# KiCad board Leopold Replacement.kicad_pcb (continued)
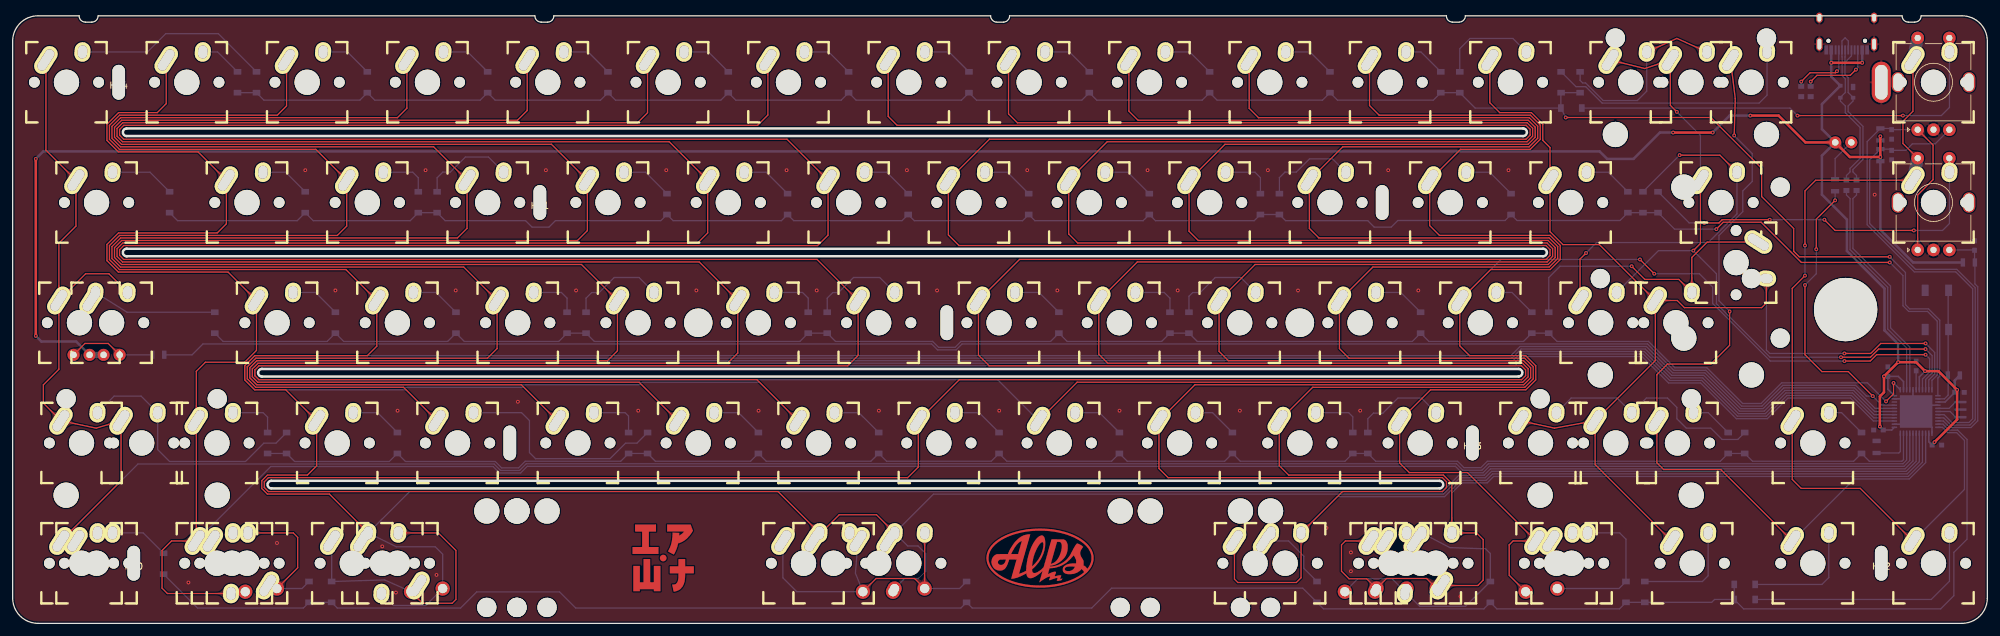
[diagram p0: board, top side]
## Copper pours and planes (outline as drawn; the poured copper is in the pictures) (continued)
Col4 on Top: 90.89,67.57 90.9,67.67 90.9,67.77 90.91,67.86 90.93,67.95 90.94,68.03 90.96,68.11 90.98,68.18 91.01,68.24 91.04,68.3 91.07,68.36 91.1,68.42 91.13,68.47 91.17,68.52 91.21,68.57 91.56,68.96 91.6,69.02 91.65,69.08 91.7,69.14 91.74,69.2 91.79,69.27 91.83,69.35 91.88,69.43 91.92,69.51 90.8,70.68 89.67,69.51 89.71,69.43 89.76,69.35 89.8,69.27 89.85,69.2 89.89,69.14 89.94,69.08 89.99,69.02 90.03,68.96 90.38,68.57 90.42,68.52 90.46,68.47 90.49,68.42 90.52,68.36 90.55,68.3 90.58,68.24 90.61,68.18 90.63,68.11 90.65,68.03 90.66,67.95 90.68,67.86 90.69,67.77 90.69,67.67 90.69,67.57
Col4 on Top: 88.96,71.75 89.04,71.67 89.1,71.59 89.16,71.52 89.21,71.45 89.26,71.38 89.3,71.32 89.33,71.25 89.36,71.19 89.39,71.12 89.41,71.06 89.42,71 89.44,70.94 89.45,70.87 89.45,70.81 89.48,70.29 89.49,70.22 89.5,70.14 89.51,70.07 89.52,69.99 89.54,69.91 89.56,69.82 89.58,69.74 89.61,69.65 91.24,69.61 91.21,71.24 91.11,71.27 91.03,71.29 90.94,71.31 90.86,71.33 90.78,71.34 90.71,71.35 90.63,71.36 90.56,71.37 90.04,71.4 89.98,71.4 89.91,71.41 89.85,71.43 89.79,71.44 89.73,71.46 89.66,71.49 89.6,71.52 89.53,71.55 89.47,71.59 89.4,71.64 89.33,71.69 89.26,71.75 89.18,71.81 89.11,71.89
Col4 on Top: 81.39,86.58 81.39,86.68 81.4,86.78 81.41,86.87 81.42,86.96 81.44,87.04 81.46,87.12 81.48,87.19 81.5,87.25 81.53,87.31 81.56,87.37 81.59,87.43 81.63,87.48 81.66,87.53 81.7,87.58 82.05,87.97 82.1,88.03 82.14,88.09 82.19,88.15 82.24,88.21 82.28,88.28 82.33,88.36 82.37,88.44 82.42,88.52 81.29,89.69 80.17,88.52 80.21,88.44 80.25,88.36 80.3,88.28 80.34,88.21 80.39,88.15 80.44,88.09 80.48,88.03 80.53,87.97 80.88,87.58 80.92,87.53 80.95,87.48 80.99,87.43 81.02,87.37 81.05,87.31 81.08,87.25 81.1,87.19 81.12,87.12 81.14,87.04 81.16,86.96 81.17,86.87 81.18,86.78 81.19,86.68 81.19,86.58
Col4 on Bottom: 84.21,33.73 84.28,33.65 84.35,33.57 84.41,33.5 84.46,33.43 84.51,33.36 84.55,33.3 84.58,33.23 84.61,33.17 84.63,33.1 84.65,33.04 84.67,32.98 84.68,32.92 84.69,32.85 84.7,32.79 84.73,32.27 84.74,32.2 84.75,32.12 84.76,32.05 84.77,31.97 84.79,31.89 84.81,31.8 84.83,31.72 84.86,31.63 86.48,31.59 86.45,33.22 86.36,33.25 86.27,33.27 86.19,33.29 86.11,33.31 86.03,33.32 85.95,33.33 85.88,33.34 85.81,33.35 85.28,33.38 85.22,33.38 85.16,33.39 85.1,33.41 85.04,33.42 84.97,33.44 84.91,33.47 84.85,33.5 84.78,33.53 84.71,33.57 84.65,33.62 84.58,33.67 84.5,33.73 84.43,33.79 84.35,33.87
Col5 on Top: 103.22,33.73 103.29,33.65 103.36,33.57 103.42,33.5 103.47,33.43 103.52,33.36 103.56,33.3 103.59,33.23 103.62,33.17 103.64,33.1 103.66,33.04 103.68,32.98 103.69,32.92 103.7,32.85 103.71,32.79 103.74,32.27 103.75,32.2 103.76,32.12 103.77,32.05 103.78,31.97 103.8,31.89 103.82,31.8 103.84,31.72 103.87,31.63 105.49,31.59 105.46,33.22 105.37,33.25 105.28,33.27 105.2,33.29 105.12,33.31 105.04,33.32 104.96,33.33 104.89,33.34 104.82,33.35 104.29,33.38 104.23,33.38 104.17,33.39 104.11,33.41 104.05,33.42 103.98,33.44 103.92,33.47 103.86,33.5 103.79,33.53 103.72,33.57 103.66,33.62 103.59,33.67 103.51,33.73 103.44,33.79 103.36,33.87
Col5 on Top: 114.66,48.56 114.66,48.66 114.67,48.76 114.67,48.85 114.69,48.94 114.7,49.02 114.72,49.1 114.75,49.17 114.77,49.23 114.8,49.29 114.83,49.35 114.86,49.41 114.9,49.46 114.93,49.51 114.97,49.56 115.32,49.95 115.37,50.01 115.41,50.07 115.46,50.13 115.5,50.19 115.55,50.26 115.6,50.34 115.64,50.42 115.68,50.5 114.56,51.67 113.43,50.5 113.48,50.42 113.52,50.34 113.56,50.26 113.61,50.19 113.66,50.13 113.7,50.07 113.75,50.01 113.8,49.95 114.14,49.56 114.18,49.51 114.22,49.46 114.25,49.41 114.29,49.35 114.32,49.29 114.34,49.23 114.37,49.17 114.39,49.1 114.41,49.02 114.43,48.94 114.44,48.85 114.45,48.76 114.46,48.66 114.46,48.56
Col5 on Top: 112.73,52.74 112.8,52.66 112.87,52.58 112.92,52.51 112.98,52.44 113.02,52.37 113.06,52.31 113.1,52.24 113.12,52.18 113.15,52.11 113.17,52.05 113.19,51.99 113.2,51.93 113.21,51.86 113.22,51.8 113.25,51.28 113.25,51.21 113.26,51.13 113.27,51.06 113.28,50.98 113.3,50.9 113.32,50.81 113.35,50.73 113.38,50.64 115,50.6 114.97,52.23 114.88,52.26 114.79,52.28 114.7,52.3 114.62,52.32 114.54,52.33 114.47,52.34 114.39,52.35 114.32,52.36 113.8,52.39 113.74,52.39 113.68,52.4 113.61,52.42 113.55,52.43 113.49,52.45 113.43,52.48 113.36,52.51 113.3,52.54 113.23,52.58 113.16,52.63 113.09,52.68 113.02,52.74 112.94,52.8 112.87,52.88
Col5 on Top: 109.91,67.57 109.91,67.67 109.91,67.77 109.92,67.86 109.94,67.95 109.95,68.03 109.97,68.11 109.99,68.18 110.02,68.24 110.05,68.3 110.08,68.36 110.11,68.42 110.14,68.47 110.18,68.52 110.22,68.57 110.57,68.96 110.61,69.02 110.66,69.08 110.71,69.14 110.75,69.2 110.8,69.27 110.84,69.35 110.89,69.43 110.93,69.51 109.81,70.68 108.68,69.51 108.72,69.43 108.77,69.35 108.81,69.27 108.86,69.2 108.9,69.14 108.95,69.08 109,69.02 109.04,68.96 109.39,68.57 109.43,68.52 109.47,68.47 109.5,68.42 109.53,68.36 109.56,68.3 109.59,68.24 109.62,68.18 109.64,68.11 109.66,68.03 109.67,67.95 109.69,67.86 109.7,67.77 109.7,67.67 109.7,67.57
Col5 on Top: 107.97,71.75 108.05,71.67 108.11,71.59 108.17,71.52 108.22,71.45 108.27,71.38 108.31,71.32 108.34,71.25 108.37,71.19 108.4,71.12 108.42,71.06 108.43,71 108.45,70.94 108.46,70.87 108.46,70.81 108.49,70.29 108.5,70.22 108.51,70.14 108.52,70.07 108.53,69.99 108.55,69.91 108.57,69.82 108.59,69.74 108.62,69.65 110.25,69.61 110.22,71.24 110.12,71.27 110.04,71.29 109.95,71.31 109.87,71.33 109.79,71.34 109.72,71.35 109.64,71.36 109.57,71.37 109.05,71.4 108.99,71.4 108.92,71.41 108.86,71.43 108.8,71.44 108.74,71.46 108.67,71.49 108.61,71.52 108.54,71.55 108.48,71.59 108.41,71.64 108.34,71.69 108.27,71.75 108.19,71.81 108.12,71.89
Col5 on Top: 100.4,86.58 100.4,86.68 100.41,86.78 100.42,86.87 100.43,86.96 100.45,87.04 100.47,87.12 100.49,87.19 100.51,87.25 100.54,87.31 100.57,87.37 100.6,87.43 100.64,87.48 100.67,87.53 100.71,87.58 101.06,87.97 101.11,88.03 101.15,88.09 101.2,88.15 101.25,88.21 101.29,88.28 101.34,88.36 101.38,88.44 101.42,88.52 100.3,89.69 99.17,88.52 99.22,88.44 99.26,88.36 99.31,88.28 99.35,88.21 99.4,88.15 99.45,88.09 99.49,88.03 99.54,87.97 99.89,87.58 99.93,87.53 99.96,87.48 100,87.43 100.03,87.37 100.06,87.31 100.09,87.25 100.11,87.19 100.13,87.12 100.15,87.04 100.17,86.96 100.18,86.87 100.19,86.78 100.2,86.68 100.2,86.58
Col5 on Bottom: 103.22,33.73 103.29,33.65 103.36,33.57 103.42,33.5 103.47,33.43 103.52,33.36 103.56,33.3 103.59,33.23 103.62,33.17 103.64,33.1 103.66,33.04 103.68,32.98 103.69,32.92 103.7,32.85 103.71,32.79 103.74,32.27 103.75,32.2 103.76,32.12 103.77,32.05 103.78,31.97 103.8,31.89 103.82,31.8 103.84,31.72 103.87,31.63 105.49,31.59 105.46,33.22 105.37,33.25 105.28,33.27 105.2,33.29 105.12,33.31 105.04,33.32 104.96,33.33 104.89,33.34 104.82,33.35 104.29,33.38 104.23,33.38 104.17,33.39 104.11,33.41 104.05,33.42 103.98,33.44 103.92,33.47 103.86,33.5 103.79,33.53 103.72,33.57 103.66,33.62 103.59,33.67 103.51,33.73 103.44,33.79 103.36,33.87
Col6 on Top: 122.23,33.73 122.3,33.65 122.37,33.57 122.43,33.5 122.48,33.43 122.53,33.36 122.57,33.3 122.6,33.23 122.63,33.17 122.65,33.1 122.67,33.04 122.69,32.98 122.7,32.92 122.71,32.85 122.72,32.79 122.75,32.27 122.76,32.2 122.77,32.12 122.78,32.05 122.79,31.97 122.81,31.89 122.83,31.8 122.85,31.72 122.88,31.63 124.5,31.59 124.47,33.22 124.38,33.25 124.29,33.27 124.21,33.29 124.13,33.31 124.05,33.32 123.97,33.33 123.9,33.34 123.83,33.35 123.3,33.38 123.24,33.38 123.18,33.39 123.12,33.41 123.06,33.42 122.99,33.44 122.93,33.47 122.87,33.5 122.8,33.53 122.73,33.57 122.67,33.62 122.6,33.67 122.52,33.73 122.45,33.79 122.37,33.87
Col6 on Top: 133.67,48.56 133.67,48.66 133.68,48.76 133.68,48.85 133.7,48.94 133.71,49.02 133.73,49.1 133.76,49.17 133.78,49.23 133.81,49.29 133.84,49.35 133.87,49.41 133.91,49.46 133.94,49.51 133.98,49.56 134.33,49.95 134.38,50.01 134.42,50.07 134.47,50.13 134.51,50.19 134.56,50.26 134.61,50.34 134.65,50.42 134.69,50.5 133.57,51.67 132.44,50.5 132.49,50.42 132.53,50.34 132.57,50.26 132.62,50.19 132.67,50.13 132.71,50.07 132.76,50.01 132.81,49.95 133.15,49.56 133.19,49.51 133.23,49.46 133.26,49.41 133.3,49.35 133.33,49.29 133.35,49.23 133.38,49.17 133.4,49.1 133.42,49.02 133.44,48.94 133.45,48.85 133.46,48.76 133.47,48.66 133.47,48.56
Col6 on Top: 131.74,52.74 131.81,52.66 131.88,52.58 131.93,52.51 131.99,52.44 132.03,52.37 132.07,52.31 132.11,52.24 132.13,52.18 132.16,52.11 132.18,52.05 132.2,51.99 132.21,51.93 132.22,51.86 132.23,51.8 132.26,51.28 132.26,51.21 132.27,51.13 132.28,51.06 132.29,50.98 132.31,50.9 132.33,50.81 132.36,50.73 132.39,50.64 134.01,50.6 133.98,52.23 133.89,52.26 133.8,52.28 133.71,52.3 133.63,52.32 133.55,52.33 133.48,52.34 133.4,52.35 133.33,52.36 132.81,52.39 132.75,52.39 132.69,52.4 132.62,52.42 132.56,52.43 132.5,52.45 132.44,52.48 132.37,52.51 132.31,52.54 132.24,52.58 132.17,52.63 132.1,52.68 132.03,52.74 131.95,52.8 131.88,52.88
Col6 on Top: 128.91,67.57 128.92,67.67 128.92,67.77 128.93,67.86 128.95,67.95 128.96,68.03 128.98,68.11 129,68.18 129.03,68.24 129.06,68.3 129.09,68.36 129.12,68.42 129.15,68.47 129.19,68.52 129.23,68.57 129.58,68.96 129.62,69.02 129.67,69.08 129.72,69.14 129.76,69.2 129.81,69.27 129.85,69.35 129.9,69.43 129.94,69.51 128.81,70.68 127.69,69.51 127.73,69.43 127.78,69.35 127.82,69.27 127.87,69.2 127.91,69.14 127.96,69.08 128.01,69.02 128.05,68.96 128.4,68.57 128.44,68.52 128.48,68.47 128.51,68.42 128.54,68.36 128.57,68.3 128.6,68.24 128.63,68.18 128.65,68.11 128.67,68.03 128.68,67.95 128.7,67.86 128.71,67.77 128.71,67.67 128.72,67.57
Col6 on Top: 126.98,71.75 127.06,71.67 127.12,71.59 127.18,71.52 127.23,71.45 127.28,71.38 127.32,71.32 127.35,71.25 127.38,71.19 127.41,71.12 127.43,71.06 127.44,71 127.46,70.94 127.47,70.87 127.47,70.81 127.5,70.29 127.51,70.22 127.52,70.14 127.53,70.07 127.54,69.99 127.56,69.91 127.58,69.82 127.6,69.74 127.63,69.65 129.26,69.61 129.23,71.24 129.13,71.27 129.05,71.29 128.96,71.31 128.88,71.33 128.8,71.34 128.73,71.35 128.65,71.36 128.58,71.37 128.06,71.4 128,71.4 127.93,71.41 127.87,71.43 127.81,71.44 127.75,71.46 127.68,71.49 127.62,71.52 127.55,71.55 127.49,71.59 127.42,71.64 127.35,71.69 127.28,71.75 127.2,71.81 127.13,71.89
Col6 on Top: 119.41,86.58 119.41,86.68 119.42,86.78 119.43,86.87 119.44,86.96 119.46,87.04 119.48,87.12 119.5,87.19 119.52,87.25 119.55,87.31 119.58,87.37 119.61,87.43 119.65,87.48 119.68,87.53 119.72,87.58 120.07,87.97 120.12,88.03 120.16,88.09 120.21,88.15 120.26,88.21 120.3,88.28 120.35,88.36 120.39,88.44 120.44,88.52 119.31,89.69 118.19,88.52 118.23,88.44 118.27,88.36 118.32,88.28 118.36,88.21 118.41,88.15 118.46,88.09 118.5,88.03 118.55,87.97 118.9,87.58 118.94,87.53 118.97,87.48 119.01,87.43 119.04,87.37 119.07,87.31 119.1,87.25 119.12,87.19 119.14,87.12 119.16,87.04 119.18,86.96 119.19,86.87 119.2,86.78 119.21,86.68 119.21,86.58
Col6 on Bottom: 122.23,33.73 122.3,33.65 122.37,33.57 122.43,33.5 122.48,33.43 122.53,33.36 122.57,33.3 122.6,33.23 122.63,33.17 122.65,33.1 122.67,33.04 122.69,32.98 122.7,32.92 122.71,32.85 122.72,32.79 122.75,32.27 122.76,32.2 122.77,32.12 122.78,32.05 122.79,31.97 122.81,31.89 122.83,31.8 122.85,31.72 122.88,31.63 124.5,31.59 124.47,33.22 124.38,33.25 124.29,33.27 124.21,33.29 124.13,33.31 124.05,33.32 123.97,33.33 123.9,33.34 123.83,33.35 123.3,33.38 123.24,33.38 123.18,33.39 123.12,33.41 123.06,33.42 122.99,33.44 122.93,33.47 122.87,33.5 122.8,33.53 122.73,33.57 122.67,33.62 122.6,33.67 122.52,33.73 122.45,33.79 122.37,33.87
Col7 on Top: 125.63,15.99 125.7,15.91 125.77,15.83 125.83,15.76 125.88,15.69 125.93,15.62 125.96,15.56 126,15.49 126.03,15.43 126.05,15.36 126.07,15.3 126.09,15.24 126.1,15.18 126.11,15.11 126.12,15.05 126.15,14.53 126.16,14.46 126.16,14.38 126.17,14.31 126.19,14.23 126.2,14.15 126.23,14.06 126.25,13.98 126.28,13.89 127.9,13.85 127.87,15.48 127.78,15.51 127.69,15.53 127.61,15.55 127.53,15.57 127.45,15.58 127.37,15.59 127.3,15.6 127.23,15.61 126.7,15.64 126.64,15.64 126.58,15.65 126.52,15.67 126.46,15.68 126.39,15.7 126.33,15.73 126.26,15.76 126.2,15.79 126.13,15.83 126.06,15.88 125.99,15.93 125.92,15.99 125.85,16.05 125.77,16.13
Col7 on Top: 143.17,29.55 143.17,29.65 143.18,29.75 143.19,29.84 143.2,29.93 143.22,30.01 143.24,30.09 143.26,30.16 143.29,30.22 143.31,30.28 143.34,30.34 143.38,30.4 143.41,30.45 143.45,30.5 143.49,30.55 143.83,30.94 143.88,31 143.93,31.06 143.97,31.12 144.02,31.18 144.07,31.25 144.11,31.33 144.15,31.41 144.2,31.49 143.07,32.66 141.95,31.49 141.99,31.41 142.03,31.33 142.08,31.25 142.13,31.18 142.17,31.12 142.22,31.06 142.26,31 142.31,30.94 142.66,30.55 142.7,30.5 142.73,30.45 142.77,30.4 142.8,30.34 142.83,30.28 142.86,30.22 142.88,30.16 142.91,30.09 142.93,30.01 142.94,29.93 142.96,29.84 142.96,29.75 142.97,29.65 142.97,29.55
Col7 on Top: 144.76,33.87 144.69,33.79 144.61,33.73 144.54,33.67 144.47,33.62 144.4,33.57 144.33,33.53 144.27,33.5 144.2,33.47 144.14,33.44 144.08,33.42 144.02,33.41 143.95,33.39 143.89,33.38 143.83,33.38 143.31,33.35 143.24,33.34 143.16,33.33 143.09,33.32 143.01,33.31 142.93,33.29 142.84,33.27 142.75,33.25 142.66,33.22 142.63,31.59 144.25,31.63 144.28,31.72 144.31,31.8 144.33,31.89 144.35,31.97 144.36,32.05 144.37,32.12 144.38,32.2 144.38,32.27 144.41,32.79 144.42,32.85 144.43,32.92 144.44,32.98 144.46,33.04 144.48,33.1 144.51,33.17 144.53,33.23 144.57,33.3 144.61,33.36 144.65,33.43 144.71,33.5 144.76,33.57 144.83,33.65 144.9,33.73
Col7 on Top: 152.68,48.56 152.68,48.66 152.69,48.76 152.69,48.85 152.71,48.94 152.72,49.02 152.74,49.1 152.77,49.17 152.79,49.23 152.82,49.29 152.85,49.35 152.88,49.41 152.92,49.46 152.95,49.51 152.99,49.56 153.34,49.95 153.39,50.01 153.43,50.07 153.48,50.13 153.52,50.19 153.57,50.26 153.62,50.34 153.66,50.42 153.7,50.5 152.58,51.67 151.45,50.5 151.5,50.42 151.54,50.34 151.58,50.26 151.63,50.19 151.68,50.13 151.72,50.07 151.77,50.01 151.82,49.95 152.16,49.56 152.2,49.51 152.24,49.46 152.27,49.41 152.31,49.35 152.34,49.29 152.36,49.23 152.39,49.17 152.41,49.1 152.43,49.02 152.45,48.94 152.46,48.85 152.47,48.76 152.48,48.66 152.48,48.56
Col7 on Top: 154.27,52.88 154.19,52.8 154.12,52.74 154.04,52.68 153.97,52.63 153.91,52.58 153.84,52.54 153.77,52.51 153.71,52.48 153.65,52.45 153.58,52.43 153.52,52.42 153.46,52.4 153.4,52.39 153.34,52.39 152.81,52.36 152.74,52.35 152.67,52.34 152.59,52.33 152.51,52.32 152.43,52.3 152.35,52.28 152.26,52.26 152.17,52.23 152.14,50.6 153.76,50.64 153.79,50.73 153.81,50.81 153.83,50.9 153.85,50.98 153.86,51.06 153.87,51.13 153.88,51.21 153.89,51.28 153.92,51.8 153.93,51.86 153.94,51.93 153.95,51.99 153.97,52.05 153.99,52.11 154.01,52.18 154.04,52.24 154.07,52.31 154.11,52.37 154.16,52.44 154.21,52.51 154.27,52.58 154.34,52.66 154.41,52.74
Col7 on Top: 147.93,67.57 147.93,67.67 147.93,67.77 147.94,67.86 147.96,67.95 147.97,68.03 147.99,68.11 148.01,68.18 148.04,68.24 148.07,68.3 148.1,68.36 148.13,68.42 148.16,68.47 148.2,68.52 148.24,68.57 148.59,68.96 148.63,69.02 148.68,69.08 148.73,69.14 148.77,69.2 148.82,69.27 148.86,69.35 148.91,69.43 148.95,69.51 147.82,70.68 146.7,69.51 146.74,69.43 146.79,69.35 146.83,69.27 146.88,69.2 146.92,69.14 146.97,69.08 147.02,69.02 147.06,68.96 147.41,68.57 147.45,68.52 147.49,68.47 147.52,68.42 147.55,68.36 147.58,68.3 147.61,68.24 147.64,68.18 147.66,68.11 147.68,68.03 147.69,67.95 147.71,67.86 147.72,67.77 147.72,67.67 147.72,67.57
Col7 on Top: 149.51,71.89 149.44,71.81 149.36,71.75 149.29,71.69 149.22,71.64 149.15,71.59 149.09,71.55 149.02,71.52 148.96,71.49 148.89,71.46 148.83,71.44 148.77,71.43 148.71,71.41 148.64,71.4 148.58,71.4 148.06,71.37 147.99,71.36 147.91,71.35 147.84,71.34 147.76,71.33 147.68,71.31 147.59,71.29 147.51,71.27 147.41,71.24 147.38,69.61 149.01,69.65 149.04,69.74 149.06,69.82 149.08,69.91 149.1,69.99 149.11,70.07 149.12,70.14 149.13,70.22 149.14,70.29 149.17,70.81 149.17,70.87 149.18,70.94 149.2,71 149.21,71.06 149.23,71.12 149.26,71.19 149.29,71.25 149.32,71.32 149.36,71.38 149.41,71.45 149.46,71.52 149.52,71.59 149.58,71.67 149.66,71.75
Col7 on Top: 138.42,86.58 138.42,86.68 138.43,86.78 138.44,86.87 138.45,86.96 138.47,87.04 138.49,87.12 138.51,87.19 138.53,87.25 138.56,87.31 138.59,87.37 138.62,87.43 138.66,87.48 138.69,87.53 138.73,87.58 139.08,87.97 139.13,88.03 139.17,88.09 139.22,88.15 139.27,88.21 139.31,88.28 139.36,88.36 139.4,88.44 139.44,88.52 138.32,89.69 137.19,88.52 137.24,88.44 137.28,88.36 137.33,88.28 137.37,88.21 137.42,88.15 137.47,88.09 137.51,88.03 137.56,87.97 137.91,87.58 137.95,87.53 137.98,87.48 138.02,87.43 138.05,87.37 138.08,87.31 138.11,87.25 138.13,87.19 138.15,87.12 138.17,87.04 138.19,86.96 138.2,86.87 138.21,86.78 138.22,86.68 138.22,86.58
Col7 on Top: 137.51,15.99 137.58,15.91 137.65,15.83 137.71,15.76 137.76,15.69 137.81,15.62 137.85,15.56 137.88,15.49 137.91,15.43 137.93,15.36 137.95,15.3 137.97,15.24 137.98,15.18 137.99,15.11 138,15.05 138.03,14.53 138.04,14.46 138.04,14.38 138.06,14.31 138.07,14.23 138.09,14.15 138.11,14.06 138.13,13.98 138.16,13.89 139.78,13.85 139.75,15.48 139.66,15.51 139.57,15.53 139.49,15.55 139.41,15.57 139.33,15.58 139.25,15.59 139.18,15.6 139.11,15.61 138.58,15.64 138.52,15.64 138.46,15.65 138.4,15.67 138.34,15.68 138.27,15.7 138.21,15.73 138.15,15.76 138.08,15.79 138.01,15.83 137.95,15.88 137.87,15.93 137.8,15.99 137.73,16.05 137.65,16.13
Col7 on Top: 128.13,14.86 128.05,14.78 127.98,14.72 127.91,14.66 127.84,14.61 127.77,14.56 127.7,14.52 127.63,14.49 127.57,14.46 127.51,14.43 127.44,14.41 127.38,14.4 127.32,14.38 127.26,14.37 127.2,14.37 126.67,14.34 126.6,14.33 126.53,14.32 126.45,14.31 126.37,14.3 126.29,14.28 126.21,14.26 126.12,14.24 126.03,14.21 126,12.58 127.62,12.62 127.65,12.71 127.67,12.79 127.69,12.88 127.71,12.96 127.73,13.04 127.74,13.11 127.74,13.19 127.75,13.26 127.78,13.78 127.79,13.84 127.8,13.91 127.81,13.97 127.83,14.03 127.85,14.09 127.87,14.16 127.9,14.22 127.93,14.29 127.97,14.35 128.02,14.42 128.07,14.49 128.13,14.56 128.2,14.64 128.27,14.72
Col7 on Bottom: 141.03,16.13 140.96,16.05 140.88,15.99 140.81,15.93 140.74,15.88 140.67,15.83 140.6,15.79 140.54,15.76 140.47,15.73 140.41,15.7 140.35,15.68 140.29,15.67 140.22,15.65 140.16,15.64 140.1,15.64 139.58,15.61 139.51,15.6 139.43,15.59 139.35,15.58 139.28,15.57 139.19,15.55 139.11,15.53 139.02,15.51 138.93,15.48 138.9,13.85 140.52,13.89 140.55,13.98 140.58,14.06 140.6,14.15 140.62,14.23 140.63,14.31 140.64,14.38 140.65,14.46 140.65,14.53 140.68,15.05 140.69,15.11 140.7,15.18 140.71,15.24 140.73,15.3 140.75,15.36 140.78,15.43 140.8,15.49 140.84,15.56 140.88,15.62 140.92,15.69 140.98,15.76 141.03,15.83 141.1,15.91 141.17,15.99
Col7 on Bottom: 140.46,6.79 140.39,6.72 140.32,6.66 140.25,6.6 140.19,6.55 140.12,6.51 140.06,6.47 140,6.43 139.94,6.4 139.88,6.38 139.82,6.35 139.76,6.33 139.71,6.32 139.65,6.3 139.12,6.21 139.05,6.19 138.98,6.18 138.92,6.16 138.85,6.13 138.77,6.11 138.7,6.07 138.62,6.04 138.54,6 138.74,4.55 140.18,4.81 140.2,4.89 140.21,4.97 140.21,5.04 140.22,5.12 140.22,5.19 140.2,5.84 140.2,5.9 140.21,5.95 140.22,6 140.23,6.06 140.25,6.11 140.27,6.17 140.29,6.22 140.32,6.28 140.35,6.34 140.39,6.4 140.44,6.46 140.49,6.52 140.54,6.58 140.61,6.65
Col7 on Bottom: 140.92,7.19 140.84,7.18 140.76,7.18 140.69,7.17 140.62,7.16 140.56,7.15 140.5,7.13 140.45,7.11 140.4,7.09 140.35,7.07 140.3,7.04 139.84,6.75 139.79,6.73 139.75,6.71 139.7,6.69 139.64,6.67 139.59,6.66 139.53,6.65 139.46,6.64 139.4,6.63 139.32,6.63 138.92,5.11 140.38,5.14 140.41,5.22 140.43,5.3 140.44,5.38 140.45,5.47 140.46,5.55 140.46,5.64 140.45,5.72 140.45,5.81 140.44,5.89 140.4,6.29 140.4,6.37 140.39,6.44 140.39,6.5 140.4,6.57 140.41,6.63 140.42,6.69 140.43,6.74 140.46,6.79 140.49,6.83 140.52,6.87 140.57,6.91 140.62,6.93 140.68,6.96 140.75,6.97 140.83,6.98 140.92,6.99
Col7 on Bottom: 141.17,12.61 141.1,12.68 141.03,12.76 140.98,12.83 140.92,12.9 140.88,12.97 140.84,13.03 140.8,13.1 140.78,13.16 140.75,13.23 140.73,13.29 140.71,13.35 140.7,13.41 140.69,13.48 140.68,13.54 140.65,14.06 140.65,14.13 140.64,14.21 140.63,14.28 140.62,14.36 140.6,14.44 140.58,14.53 140.55,14.61 140.52,14.71 138.9,14.74 138.93,13.11 139.02,13.08 139.11,13.06 139.19,13.04 139.28,13.02 139.35,13.01 139.43,13 139.51,12.99 139.58,12.98 140.1,12.95 140.16,12.95 140.22,12.94 140.29,12.92 140.35,12.91 140.41,12.89 140.47,12.86 140.54,12.83 140.6,12.8 140.67,12.76 140.74,12.71 140.81,12.66 140.88,12.6 140.96,12.54 141.03,12.46
Col8 on Top: 163.77,33.87 163.7,33.79 163.62,33.73 163.55,33.67 163.48,33.62 163.41,33.57 163.34,33.53 163.28,33.5 163.21,33.47 163.15,33.44 163.09,33.42 163.03,33.41 162.96,33.39 162.9,33.38 162.84,33.38 162.32,33.35 162.25,33.34 162.17,33.33 162.1,33.32 162.02,33.31 161.94,33.29 161.85,33.27 161.76,33.25 161.67,33.22 161.64,31.59 163.26,31.63 163.29,31.72 163.32,31.8 163.34,31.89 163.36,31.97 163.37,32.05 163.38,32.12 163.39,32.2 163.39,32.27 163.42,32.79 163.43,32.85 163.44,32.92 163.45,32.98 163.47,33.04 163.49,33.1 163.52,33.17 163.54,33.23 163.58,33.3 163.62,33.36 163.66,33.43 163.72,33.5 163.77,33.57 163.84,33.65 163.91,33.73
Col8 on Top: 171.69,48.56 171.69,48.66 171.7,48.76 171.7,48.85 171.72,48.94 171.73,49.02 171.75,49.1 171.78,49.17 171.8,49.23 171.83,49.29 171.86,49.35 171.89,49.41 171.93,49.46 171.96,49.51 172,49.56 172.35,49.95 172.4,50.01 172.44,50.07 172.49,50.13 172.53,50.19 172.58,50.26 172.63,50.34 172.67,50.42 172.71,50.5 171.59,51.67 170.46,50.5 170.51,50.42 170.55,50.34 170.59,50.26 170.64,50.19 170.69,50.13 170.73,50.07 170.78,50.01 170.83,49.95 171.17,49.56 171.21,49.51 171.25,49.46 171.28,49.41 171.32,49.35 171.35,49.29 171.37,49.23 171.4,49.17 171.42,49.1 171.44,49.02 171.46,48.94 171.47,48.85 171.48,48.76 171.49,48.66 171.49,48.56
Col8 on Top: 173.28,52.88 173.2,52.8 173.13,52.74 173.05,52.68 172.98,52.63 172.92,52.58 172.85,52.54 172.78,52.51 172.72,52.48 172.66,52.45 172.59,52.43 172.53,52.42 172.47,52.4 172.41,52.39 172.35,52.39 171.82,52.36 171.75,52.35 171.68,52.34 171.6,52.33 171.52,52.32 171.44,52.3 171.36,52.28 171.27,52.26 171.18,52.23 171.15,50.6 172.77,50.64 172.8,50.73 172.82,50.81 172.84,50.9 172.86,50.98 172.87,51.06 172.88,51.13 172.89,51.21 172.9,51.28 172.93,51.8 172.94,51.86 172.95,51.93 172.96,51.99 172.98,52.05 173,52.11 173.02,52.18 173.05,52.24 173.08,52.31 173.12,52.37 173.17,52.44 173.22,52.51 173.28,52.58 173.35,52.66 173.42,52.74
Col8 on Top: 166.94,67.57 166.94,67.67 166.94,67.77 166.95,67.86 166.97,67.95 166.98,68.03 167,68.11 167.02,68.18 167.05,68.24 167.08,68.3 167.11,68.36 167.14,68.42 167.17,68.47 167.21,68.52 167.25,68.57 167.6,68.96 167.64,69.02 167.69,69.08 167.74,69.14 167.78,69.2 167.83,69.27 167.87,69.35 167.92,69.43 167.96,69.51 166.84,70.68 165.71,69.51 165.75,69.43 165.8,69.35 165.84,69.27 165.89,69.2 165.93,69.14 165.98,69.08 166.03,69.02 166.07,68.96 166.42,68.57 166.46,68.52 166.5,68.47 166.53,68.42 166.56,68.36 166.59,68.3 166.62,68.24 166.65,68.18 166.67,68.11 166.69,68.03 166.7,67.95 166.72,67.86 166.73,67.77 166.73,67.67 166.74,67.57
Col8 on Top: 168.52,71.89 168.45,71.81 168.37,71.75 168.3,71.69 168.23,71.64 168.16,71.59 168.1,71.55 168.03,71.52 167.97,71.49 167.9,71.46 167.84,71.44 167.78,71.43 167.72,71.41 167.65,71.4 167.59,71.4 167.07,71.37 167,71.36 166.92,71.35 166.85,71.34 166.77,71.33 166.69,71.31 166.6,71.29 166.52,71.27 166.42,71.24 166.39,69.61 168.02,69.65 168.05,69.74 168.07,69.82 168.09,69.91 168.11,69.99 168.12,70.07 168.13,70.14 168.14,70.22 168.15,70.29 168.18,70.81 168.18,70.87 168.19,70.94 168.21,71 168.22,71.06 168.24,71.12 168.27,71.19 168.3,71.25 168.33,71.32 168.37,71.38 168.42,71.45 168.47,71.52 168.53,71.59 168.59,71.67 168.67,71.75
Col8 on Top: 157.43,86.58 157.43,86.68 157.44,86.78 157.45,86.87 157.46,86.96 157.48,87.04 157.5,87.12 157.52,87.19 157.54,87.25 157.57,87.31 157.6,87.37 157.63,87.43 157.67,87.48 157.7,87.53 157.74,87.58 158.09,87.97 158.14,88.03 158.18,88.09 158.23,88.15 158.28,88.21 158.32,88.28 158.37,88.36 158.41,88.44 158.46,88.52 157.33,89.69 156.21,88.52 156.25,88.44 156.29,88.36 156.34,88.28 156.38,88.21 156.43,88.15 156.48,88.09 156.52,88.03 156.57,87.97 156.92,87.58 156.96,87.53 156.99,87.48 157.03,87.43 157.06,87.37 157.09,87.31 157.12,87.25 157.14,87.19 157.16,87.12 157.18,87.04 157.2,86.96 157.21,86.87 157.22,86.78 157.23,86.68 157.23,86.58
Col8 on Bottom: 160.25,33.73 160.32,33.65 160.39,33.57 160.45,33.5 160.5,33.43 160.55,33.36 160.59,33.3 160.62,33.23 160.65,33.17 160.67,33.1 160.69,33.04 160.71,32.98 160.72,32.92 160.73,32.85 160.74,32.79 160.77,32.27 160.78,32.2 160.79,32.12 160.8,32.05 160.81,31.97 160.83,31.89 160.85,31.8 160.87,31.72 160.9,31.63 162.52,31.59 162.49,33.22 162.4,33.25 162.31,33.27 162.23,33.29 162.15,33.31 162.07,33.32 161.99,33.33 161.92,33.34 161.85,33.35 161.32,33.38 161.26,33.38 161.2,33.39 161.14,33.41 161.08,33.42 161.01,33.44 160.95,33.47 160.89,33.5 160.82,33.53 160.75,33.57 160.69,33.62 160.62,33.67 160.54,33.73 160.47,33.79 160.39,33.87
